# Allegro board 6089-119-RevB_08.brd (continued)
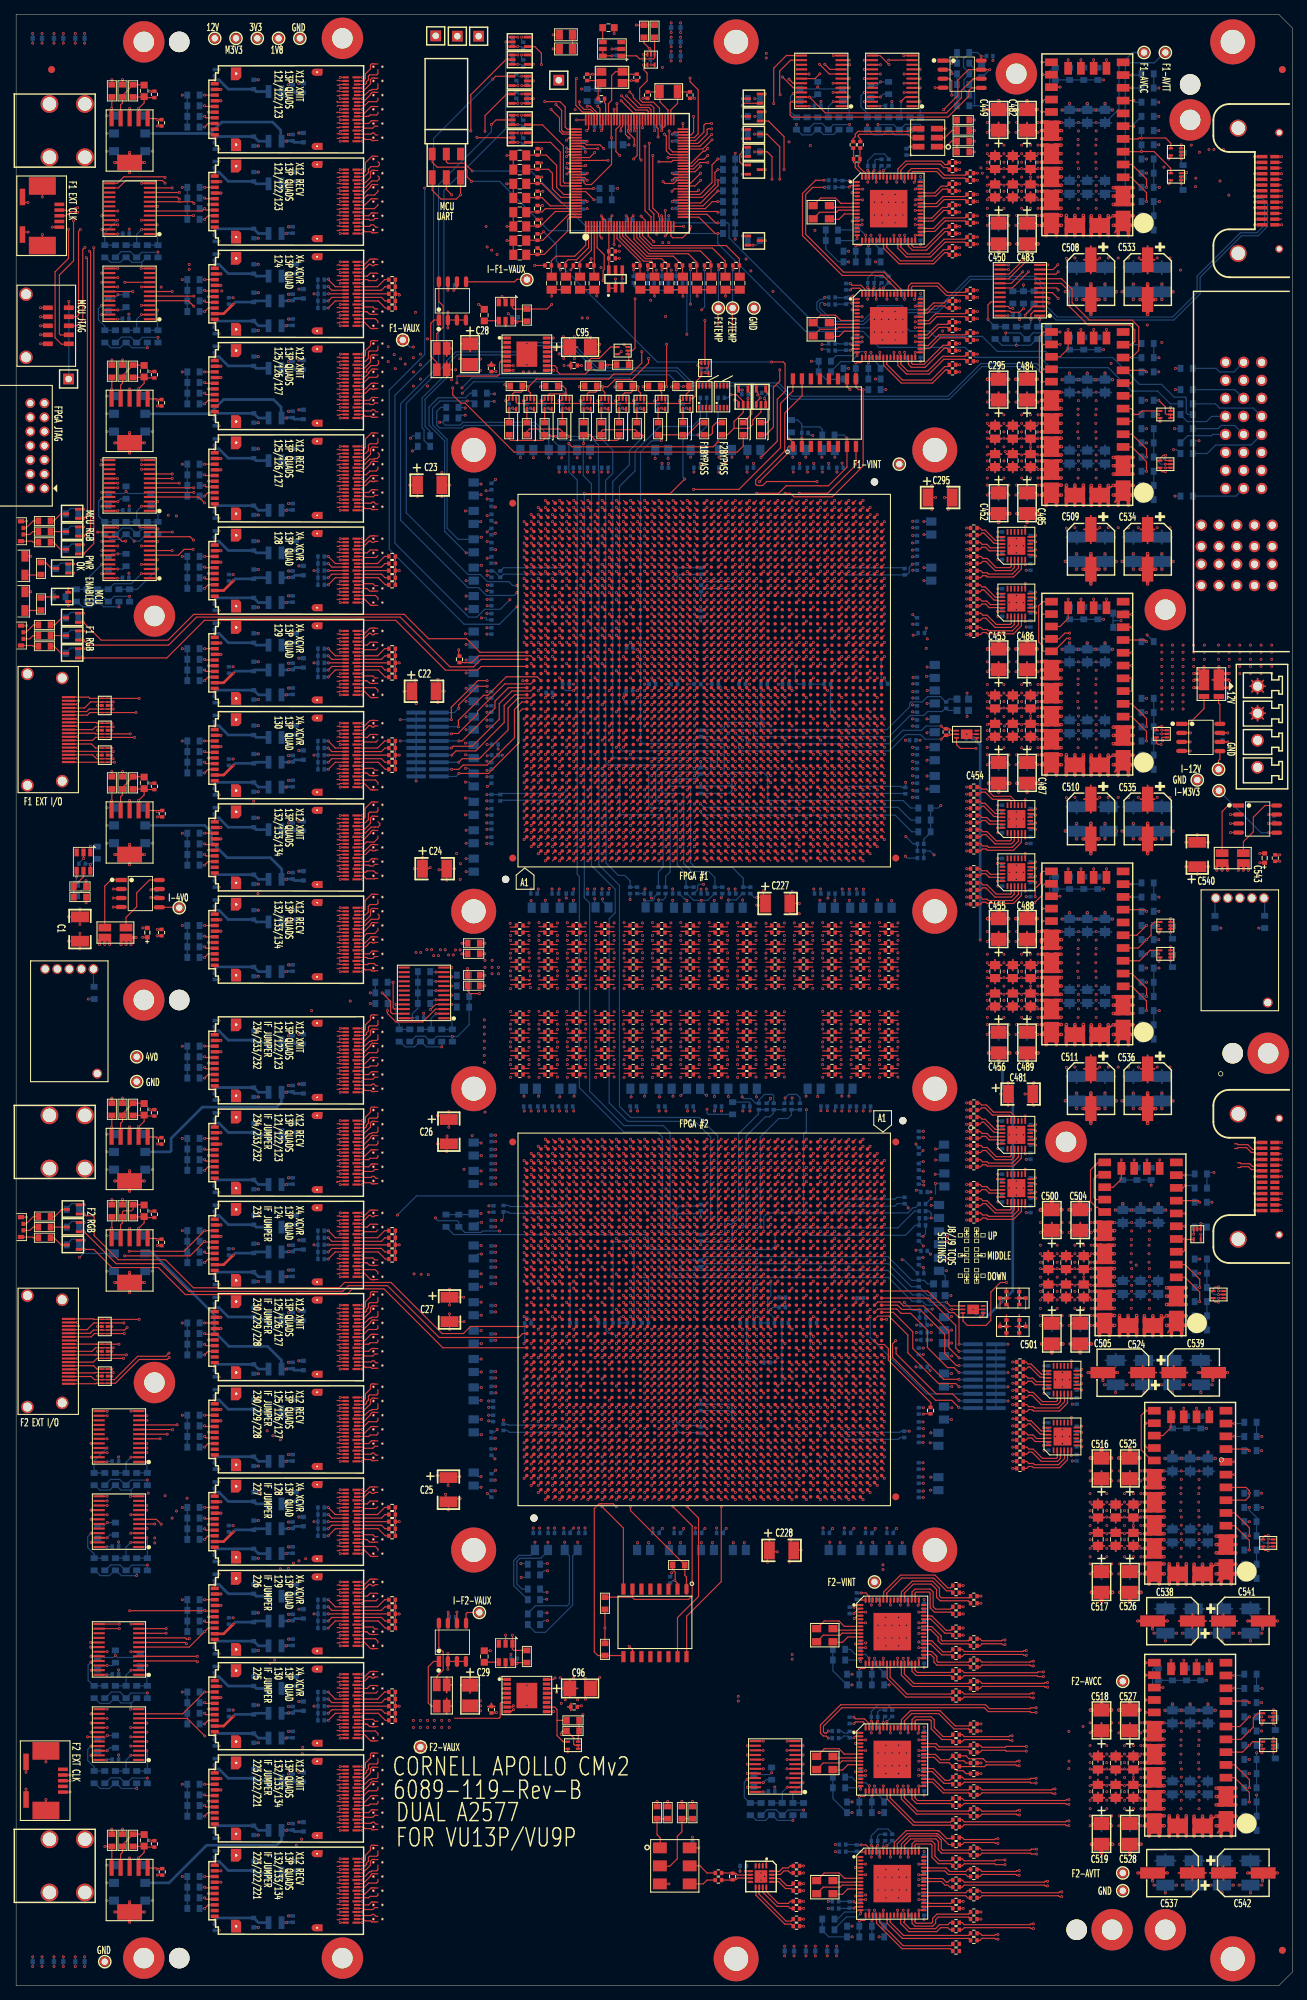
[diagram p0: board, top side]
## Placement (name value [footprint] x y rotation side) (continued)
C1148  22 UF  [CAPTANT_0603_P1]  33.5 112.9 270 bottom
C1149  22 UF  [CAPTANT_0603_P1]  33.5 107.9 90 bottom
C1150  22 UF  [CAPTANT_0603_P1]  33.5 103.9 90 bottom
C1151  22 UF  [CAPTANT_0603_P1]  33.5 99.9 270 bottom
C1152  22 UF  [CAPTANT_0603_P1]  33.5 94.9 90 bottom
C1153  22 UF  [CAPTANT_0603_P1]  33.5 86.9 270 bottom
C1154  22 UF  [CAPTANT_0603_P1]  33.5 81.9 90 bottom
C1155  22 UF  [CAPTANT_0603_P1]  33.5 73.9 270 bottom
C1156  22 UF  [CAPTANT_0603_P1]  33.5 68.9 90 bottom
C1157  22 UF  [CAPTANT_0603_P1]  33.5 64.9 90 bottom
C1158  22 UF  [CAPTANT_0603_P1]  33.5 60.9 270 bottom
C1159  22 UF  [CAPTANT_0603_P1]  33.5 55.9 90 bottom
C1160  22 UF  [CAPTANT_0603_P1]  33.5 51.9 90 bottom
C1161  22 UF  [CAPTANT_0603_P1]  33.5 47.9 270 bottom
C1162  22 UF  [CAPTANT_0603_P1]  33.5 42.9 90 bottom
C1163  22 UF  [CAPTANT_0603_P1]  33.5 38.9 90 bottom
C1164  22 UF  [CAPTANT_0603_P1]  33.5 34.9 270 bottom
C1165  22 UF  [CAPTANT_0603_P1]  33.5 29.9 90 bottom
C1166  22 UF  [CAPTANT_0603_P1]  33.5 21.9 270 bottom
C1167  22 UF  [CAPTANT_0603_P1]  33.5 16.9 90 bottom
C1168  22 UF  [CAPTANT_0603_P1]  33.5 8.9 270 bottom
C1169  0.1 UF  [CAPC_EIA0402]  28 269.55 90 bottom
C1170  0.1 UF  [CAPC_EIA0402]  28 259.25 270 bottom
C1171  0.1 UF  [CAPC_EIA0402]  28 256.6 90 bottom
C1172  0.1 UF  [CAPC_EIA0402]  28 246.25 270 bottom
C1173  0.1 UF  [CAPC_EIA0402]  28 243.55 90 bottom
C1174  0.1 UF  [CAPC_EIA0402]  30 237.4 90 bottom
C1175  0.1 UF  [CAPC_EIA0402]  28 233.25 270 bottom
C1176  0.1 UF  [CAPC_EIA0402]  28 230.55 90 bottom
C1177  0.1 UF  [CAPC_EIA0402]  28 220.25 270 bottom
C1178  0.1 UF  [CAPC_EIA0402]  28 217.5 90 bottom
C1179  0.1 UF  [CAPC_EIA0402]  28 207.25 270 bottom
C1180  0.1 UF  [CAPC_EIA0402]  28 204.55 90 bottom
C1181  0.1 UF  [CAPC_EIA0402]  30 198.4 90 bottom
C1182  0.1 UF  [CAPC_EIA0402]  28 194.25 270 bottom
C1183  0.1 UF  [CAPC_EIA0402]  28 191.55 90 bottom
C1184  0.1 UF  [CAPC_EIA0402]  30 185.4 90 bottom
C1185  0.1 UF  [CAPC_EIA0402]  28 181.25 270 bottom
C1186  0.1 UF  [CAPC_EIA0402]  28 178.55 90 bottom
C1187  0.1 UF  [CAPC_EIA0402]  30 172.4 90 bottom
C1188  0.1 UF  [CAPC_EIA0402]  28 168.25 270 bottom
C1189  0.1 UF  [CAPC_EIA0402]  28 165.55 90 bottom
C1190  0.1 UF  [CAPC_EIA0402]  28 155.25 270 bottom
C1191  0.1 UF  [CAPC_EIA0402]  28 152.55 90 bottom
C1192  0.1 UF  [CAPC_EIA0402]  28 142.25 270 bottom
C1193  0.1 UF  [CAPC_EIA0402]  28 135.55 90 bottom
C1194  0.1 UF  [CAPC_EIA0402]  28 125.25 270 bottom
C1195  0.1 UF  [CAPC_EIA0402]  28 122.55 90 bottom
C1196  0.1 UF  [CAPC_EIA0402]  28 112.25 270 bottom
C1197  0.1 UF  [CAPC_EIA0402]  28 109.55 90 bottom
C1198  0.1 UF  [CAPC_EIA0402]  30 103.4 90 bottom
C1199  0.1 UF  [CAPC_EIA0402]  28 99.25 270 bottom
C1200  0.1 UF  [CAPC_EIA0402]  28 96.55 90 bottom
C1201  0.1 UF  [CAPC_EIA0402]  28 86.25 270 bottom
C1202  0.1 UF  [CAPC_EIA0402]  28 83.55 90 bottom
C1203  0.1 UF  [CAPC_EIA0402]  28 73.25 270 bottom
C1204  0.1 UF  [CAPC_EIA0402]  28 70.55 90 bottom
C1205  0.1 UF  [CAPC_EIA0402]  30 64.4 90 bottom
C1206  0.1 UF  [CAPC_EIA0402]  28 60.25 270 bottom
C1207  0.1 UF  [CAPC_EIA0402]  28 57.55 90 bottom
C1208  0.1 UF  [CAPC_EIA0402]  30 51.4 90 bottom
C1209  0.1 UF  [CAPC_EIA0402]  28 47.25 270 bottom
C1210  0.1 UF  [CAPC_EIA0402]  28 44.55 90 bottom
C1211  0.1 UF  [CAPC_EIA0402]  30 38.4 90 bottom
C1212  0.1 UF  [CAPC_EIA0402]  28 34.25 270 bottom
C1213  0.1 UF  [CAPC_EIA0402]  28 31.55 90 bottom
C1214  0.1 UF  [CAPC_EIA0402]  28 21.25 270 bottom
C1215  0.1 UF  [CAPC_EIA0402]  28 18.55 90 bottom
C1216  0.1 UF  [CAPC_EIA0402]  28 8.25 270 bottom
C1217  0.1 UF  [CAPC_EIA0402]  19.8 153.9 90 bottom
C1218  0.1 UF  [CAPC_EIA0402]  15.5 246.9 0 bottom
C1219  0.1 UF  [CAPC_EIA0402]  15.5 207.9 0 bottom
C1220  0.1 UF  [CAPC_EIA0402]  15.45 234.9 0 bottom
C1221  0.1 UF  [CAPC_EIA0402]  15.45 198.4 0 bottom
C1222  0.1 UF  [CAPC_EIA0402]  14 73.9 0 bottom
C1223  0.1 UF  [CAPC_EIA0402]  14 61.9 0 bottom
C1224  0.1 UF  [CAPC_EIA0402]  14 43.9 0 bottom
C1225  0.1 UF  [CAPC_EIA0402]  14 31.9 0 bottom
C1226  0.1 UF  [CAPC_EIA0402]  9.3 158.1 180 bottom
C1227  22 UF  [CAPTANT_0603_P1]  9 274.4 0 bottom
C1228  22 UF  [CAPTANT_0603_P1]  9 3.4 0 bottom
C1229  TBD  [CAPC_EIA0603]  8.5 154.4 90 bottom
C1230  22 UF  [CAPTANT_0603_P1]  6 274.4 0 bottom
C1231  22 UF  [CAPTANT_0603_P1]  6 3.4 0 bottom
C1232  22 UF  [CAPTANT_0603_P1]  3 274.4 0 bottom
C1233  22 UF  [CAPTANT_0603_P1]  3 3.4 0 bottom
D1  -  [LED_RGB_INS126T]  0.7 204.95 270 top
D2  -  [LED_RGB_INS126T]  0.7 190.25 270 top
D3  -  [LED_RGB_INS126T]  0.7 106.9 270 top
D4  LED GREEN  [LED_APA2106]  1.25 200.1 90 top
D5  LED GREEN  [LED_APA2106]  1.25 195.1 90 top
H1  DNI  [HOLE_M2P5_STANDOFF]  19.5 193 0 top
H2  DNI  [HOLE_M2P5_STANDOFF]  19.5 85 0 top
H3  DNI  [HOLE_M2P5_STANDOFF]  46 274.4 0 top
H4  DNI  [HOLE_M2P5_STANDOFF]  46 3.9 0 top
H5  DNI  [HOLE_M2P5_STANDOFF]  141 269.4 0 top
H6  DNI  [HOLE_M2P5_STANDOFF]  148 118.9 0 top
H7  DNI  [HOLE_M2P5_STANDOFF]  162 193.9 0 top
H8  DNI  [HOLE_M2P5_STANDOFF]  162 7.9 0 top
J1  CON_2X7_RA  [CON_2X7_2MM_RA_XILINX]  3 217 0 top
J2  CON5  [CONN_USB_MINI_B_UX60SC_MB_5ST]  0 249.4 180 top
J3  CON5  [CONN_USB_MINI_B_UX60SC_MB_5ST]  0.5 28.9 180 top
J4  CON10A  [CONN_10PIN_FSH]  1.4 233.9 0 top
J5  CON_HDMI19_SS_53000_001  [CONN_HDMI19_SS_53000_001]  6.5 177 180 top
J6  CON_HDMI19_SS_53000_001  [CONN_HDMI19_SS_53000_001]  6.5 89.4 180 top
J7  CON6  [HEADER_2MM_2X3_SMD_RA]  60.65 256.45 90 top
J8  -  [CAP_JUMPER_DP3T]  140.5 96.9 90 top
J9  -  [CAP_JUMPER_DP3T]  140.5 92.9 90 top
J10  CON4  [TB4]  175 177.4 0 top
J11  CON20A  [CONN_FTM_20]  136.5 85.9 0 bottom
J12  CON20A  [CONN_FTM_20]  58 174.9 180 bottom
L1  600 OHM  [IND_EIA0603]  133.45 181.3 180 bottom
L2  600 OHM  [IND_EIA0603]  133.45 179.7 180 bottom
L3  600 OHM  [IND_EIA0603]  130.15 98.9 180 bottom
L4  600 OHM  [IND_EIA0603]  130.15 97.25 180 bottom
L5  1.0 UH  [IND_EIA0806]  36.5 266.9 180 bottom
L6  1.0 UH  [IND_EIA0806]  36.5 259.9 180 bottom
L7  1.0 UH  [IND_EIA0806]  36.5 253.9 180 bottom
L8  1.0 UH  [IND_EIA0806]  36.5 246.9 180 bottom
L9  1.0 UH  [IND_EIA0806]  36.5 240.9 180 bottom
L10  1.0 UH  [IND_EIA0806]  36.5 237.4 180 bottom
L11  1.0 UH  [IND_EIA0806]  36.5 233.9 180 bottom
L12  1.0 UH  [IND_EIA0806]  36.5 227.9 180 bottom
L13  1.0 UH  [IND_EIA0806]  36.5 220.9 180 bottom
L14  1.0 UH  [IND_EIA0806]  36.5 214.9 180 bottom
L15  1.0 UH  [IND_EIA0806]  36.5 207.9 180 bottom
L16  1.0 UH  [IND_EIA0806]  36.5 201.9 180 bottom
L17  1.0 UH  [IND_EIA0806]  36.5 198.4 180 bottom
L18  1.0 UH  [IND_EIA0806]  36.5 194.9 180 bottom
L19  1.0 UH  [IND_EIA0806]  36.5 188.9 180 bottom
L20  1.0 UH  [IND_EIA0806]  36.5 185.4 180 bottom
L21  1.0 UH  [IND_EIA0806]  36.5 181.9 180 bottom
L22  1.0 UH  [IND_EIA0806]  36.5 175.9 180 bottom
L23  1.0 UH  [IND_EIA0806]  36.5 172.4 180 bottom
L24  1.0 UH  [IND_EIA0806]  36.5 168.9 180 bottom
L25  1.0 UH  [IND_EIA0806]  36.5 162.9 180 bottom
L26  1.0 UH  [IND_EIA0806]  36.5 155.9 180 bottom
L27  1.0 UH  [IND_EIA0806]  36.5 149.9 180 bottom
L28  1.0 UH  [IND_EIA0806]  36.5 142.9 180 bottom
L29  1.0 UH  [IND_EIA0806]  36.5 132.9 180 bottom
L30  1.0 UH  [IND_EIA0806]  36.5 125.9 180 bottom
L31  1.0 UH  [IND_EIA0806]  36.5 119.9 180 bottom
L32  1.0 UH  [IND_EIA0806]  36.5 112.9 180 bottom
L33  1.0 UH  [IND_EIA0806]  36.5 106.9 180 bottom
L34  1.0 UH  [IND_EIA0806]  36.5 103.4 180 bottom
L35  1.0 UH  [IND_EIA0806]  36.5 99.9 180 bottom
L36  1.0 UH  [IND_EIA0806]  36.5 93.9 180 bottom
L37  1.0 UH  [IND_EIA0806]  36.5 86.9 180 bottom
L38  1.0 UH  [IND_EIA0806]  36.5 80.9 180 bottom
L39  1.0 UH  [IND_EIA0806]  36.5 73.9 180 bottom
L40  1.0 UH  [IND_EIA0806]  36.5 67.9 180 bottom
L41  1.0 UH  [IND_EIA0806]  36.5 64.4 180 bottom
L42  1.0 UH  [IND_EIA0806]  36.5 60.9 180 bottom
L43  1.0 UH  [IND_EIA0806]  36.5 54.9 180 bottom
L44  1.0 UH  [IND_EIA0806]  36.5 51.4 180 bottom
L45  1.0 UH  [IND_EIA0806]  36.5 47.9 180 bottom
L46  1.0 UH  [IND_EIA0806]  36.5 41.9 180 bottom
L47  1.0 UH  [IND_EIA0806]  36.5 38.4 180 bottom
L48  1.0 UH  [IND_EIA0806]  36.5 34.9 180 bottom
L49  1.0 UH  [IND_EIA0806]  36.5 28.9 180 bottom
L50  1.0 UH  [IND_EIA0806]  36.5 21.9 180 bottom
L51  1.0 UH  [IND_EIA0806]  36.5 15.9 180 bottom
L52  1.0 UH  [IND_EIA0806]  36.5 8.9 180 bottom
NOREF  -  []  0 277.38 0 top
NOREF#2  -  []  -12.7 286.6 0 top
NOREF#3  -  []  177.58 277.8 90 top
NOREF#4  -  []  177.73 0 90 top
NOREF#5  -  []  193.64 -12.7 90 top
NOREF#6  -  []  177.2 -12.7 90 top
NOREF#7  -  [unnamed#2]  5 270 0 top
NOREF#8  -  []  -12.7 281.52 0 top
NOREF#9  -  [unnamed#2]  178.5 5 0 top
NOREF#10  -  []  179.97 275.22 0 top
NOREF#11  -  [unnamed#2]  178.5 270 0 top
NOREF#12  -  [unnamed#2]  178.5 5 180 bottom
NOREF#13  -  [unnamed#2]  5 270 180 bottom
NOREF#14  -  [unnamed#2]  178.5 270 180 bottom
P1  ET60T-D02-3-08-000  [ET60T-02-24-00-X-RT1-GP]  172.07 191.8 90 top
P2  ERM8-013-RA-2X13  [ERM8-013-01-S-D-RA]  172.27 244.1 270 top
P3  ERM8-013-RA-2X13  [ERM8-013-01-S-D-RA]  172.27 105.2 270 top
PM1  THRU_TestPoint  [TESTPT_C55H35]  12.5 3.4 0 top
PM2  THRU_TestPoint  [TESTPT_C55H35]  17 130.9 0 top
PM3  THRU_TestPoint  [TESTPT_C55H35]  17 127.4 0 top
PM4  THRU_TestPoint  [TESTPT_C55H35]  23 151.9 0 top
PM5  THRU_TestPoint  [TESTPT_C55H35]  28 274.4 0 top
PM6  THRU_TestPoint  [TESTPT_C55H35]  31 274.4 0 top
PM7  THRU_TestPoint  [TESTPT_C55H35]  34 274.4 0 top
PM8  THRU_TestPoint  [TESTPT_C55H35]  37 274.4 0 top
PM9  THRU_TestPoint  [TESTPT_C55H35]  40 274.4 0 top
PM10  THRU_TestPoint  [TESTPT_C55H35]  54.5 231.9 0 top
PM11  THRU_TestPoint  [TESTPT_C55H35]  57 33.65 0 top
PM12  THRU_TestPoint  [TESTPT_C55H35]  65.3 52.6 0 top
PM13  THRU_TestPoint  [TESTPT_C55H35]  72 240.4 0 top
PM14  THRU_TestPoint  [TESTPT_C55H35]  99 236.4 0 top
PM15  THRU_TestPoint  [TESTPT_C55H35]  101 236.4 0 top
PM16  THRU_TestPoint  [TESTPT_C55H35]  104 236.4 0 top
PM17  THRU_TestPoint  [TESTPT_C55H35]  121 56.9 0 top
PM18  THRU_TestPoint  [TESTPT_C55H35]  124.5 214.4 0 top
PM19  THRU_TestPoint  [TESTPT_C55H35]  156 42.9 0 top
PM20  THRU_TestPoint  [TESTPT_C55H35]  156 15.9 0 top
PM21  THRU_TestPoint  [TESTPT_C55H35]  156 13.4 0 top
PM22  THRU_TestPoint  [TESTPT_C55H35]  159 272.4 0 top
PM23  THRU_TestPoint  [TESTPT_C55H35]  162 272.4 0 top
PM24  THRU_TestPoint  [TESTPT_C55H35]  166.5 169.9 0 top
PM25  THRU_TestPoint  [TESTPT_C55H35]  169.5 171.4 0 top
PM26  THRU_TestPoint  [TESTPT_C55H35]  169.55 168.4 0 top
Q1  FET_N_1.8V  [RUF015N02_FET]  6.5 199.7 180 top
Q2  FET_N_1.8V  [RUF015N02_FET]  6.5 195.7 180 top
Q3  FET_N_1.8V  [RUF015N02_FET]  7.9 207.4 180 top
Q4  FET_N_1.8V  [RUF015N02_FET]  7.9 204.9 180 top
Q5  FET_N_1.8V  [RUF015N02_FET]  7.9 202.4 180 top
Q6  FET_N_1.8V  [RUF015N02_FET]  7.9 192.75 180 top
Q7  FET_N_1.8V  [RUF015N02_FET]  7.9 190.25 180 top
Q8  FET_N_1.8V  [RUF015N02_FET]  7.9 187.75 180 top
Q9  FET_N_1.8V  [RUF015N02_FET]  8 109.4 180 top
Q10  FET_N_1.8V  [RUF015N02_FET]  8 106.9 180 top
Q11  FET_N_1.8V  [RUF015N02_FET]  8 104.4 180 top
Q12  FET_N_1.8V  [RUF015N02_FET]  104 265.9 180 top
Q13  FET_N_1.8V  [RUF015N02_FET]  104 263.4 180 top
Q14  FET_N_1.8V  [RUF015N02_FET]  104 260.9 0 top
Q15  FET_N_1.8V  [RUF015N02_FET]  104 258.4 0 top
Q16  FET_N_1.8V  [RUF015N02_FET]  104 255.9 0 top
Q17  FET_N_1.8V  [RUF015N02_FET]  104 245.9 0 top
R1  270  [RESC_EIA0603]  3.5 199.7 270 top
R2  270  [RESC_EIA0603]  3.5 194.7 270 top
R3  150  [RESC_EIA0603]  4 206.4 180 top
R4  150  [RESC_EIA0603]  4 204.9 180 top
R5  270  [RESC_EIA0603]  4 203.4 180 top
R6  150  [RESC_EIA0603]  4 191.75 180 top
R7  150  [RESC_EIA0603]  4 190.25 180 top
R8  270  [RESC_EIA0603]  4 188.75 180 top
R9  150  [RESC_EIA0603]  4 108.4 180 top
R10  150  [RESC_EIA0603]  4 106.9 180 top
R11  270  [RESC_EIA0603]  4 105.4 180 top
R12  10K  [RESC_EIA0603]  9 154.9 180 top
R13  12.1K  [RESC_EIA0603]  9 153.4 0 top
R14  4.7K  [RESC_EIA0603]  13.5 267 270 top
R15  4.7K  [RESC_EIA0603]  13.5 227.5 270 top
R16  4.7K  [RESC_EIA0603]  13.5 169.5 270 top
R17  4.7K  [RESC_EIA0603]  13.5 123.5 270 top
R18  4.7K  [RESC_EIA0603]  13.5 109.2 270 top
R19  4.7K  [RESC_EIA0603]  13.5 20.5 270 top
R20  0.005  [RESC_FC4T_4WIRE_1206]  14 148.4 270 top
R21  28.0K  [RESC_EIA0603]  15 267 90 top
R22  28.0K  [RESC_EIA0603]  15 227.5 90 top
R23  28.0K  [RESC_EIA0603]  15 169.5 90 top
R24  28.0K  [RESC_EIA0603]  15 123.5 90 top
R25  28.0K  [RESC_EIA0603]  15 109.2 90 top
R26  28.0K  [RESC_EIA0603]  15 20.5 90 top
R27  60.4K  [RESC_EIA0603]  16.5 267 90 top
R28  60.4K  [RESC_EIA0603]  16.5 227.5 90 top
R29  60.4K  [RESC_EIA0603]  16.5 169.5 90 top
R30  60.4K  [RESC_EIA0603]  16.5 123.5 90 top
R31  60.4K  [RESC_EIA0603]  16.5 109.2 90 top
R32  60.4K  [RESC_EIA0603]  16.5 20.5 90 top
R33  49p9  [RESC_EIA0402]  53 240.4 180 top
R34  49p9  [RESC_EIA0402]  53 239.4 180 top
R35  49p9  [RESC_EIA0402]  53 238.4 180 top
R36  49p9  [RESC_EIA0402]  53 237.4 180 top
R37  49p9  [RESC_EIA0402]  53 236.4 180 top
R38  49p9  [RESC_EIA0402]  53 201.4 180 top
R39  49p9  [RESC_EIA0402]  53 200.4 180 top
R40  49p9  [RESC_EIA0402]  53 199.4 180 top
R41  49p9  [RESC_EIA0402]  53 198.4 180 top
R42  49p9  [RESC_EIA0402]  53 197.4 180 top
R43  49p9  [RESC_EIA0402]  53 188.4 180 top
R44  49p9  [RESC_EIA0402]  53 187.4 180 top
R45  49p9  [RESC_EIA0402]  53 186.4 180 top
R46  49p9  [RESC_EIA0402]  53 185.4 180 top
R47  49p9  [RESC_EIA0402]  53 184.4 180 top
R48  49p9  [RESC_EIA0402]  53 175.4 180 top
R49  49p9  [RESC_EIA0402]  53 174.4 180 top
R50  49p9  [RESC_EIA0402]  53 173.4 180 top
R51  49p9  [RESC_EIA0402]  53 172.4 180 top
R52  49p9  [RESC_EIA0402]  53 171.4 180 top
R53  49p9  [RESC_EIA0402]  53 106.4 180 top
R54  49p9  [RESC_EIA0402]  53 105.4 180 top
R55  49p9  [RESC_EIA0402]  53 104.4 180 top
R56  49p9  [RESC_EIA0402]  53 103.4 180 top
R57  49p9  [RESC_EIA0402]  53 102.4 180 top
R58  49p9  [RESC_EIA0402]  53 67.4 180 top
R59  49p9  [RESC_EIA0402]  53 66.4 180 top
R60  49p9  [RESC_EIA0402]  53 65.4 180 top
R61  49p9  [RESC_EIA0402]  53 64.4 180 top
R62  49p9  [RESC_EIA0402]  53 63.4 180 top
R63  49p9  [RESC_EIA0402]  53 54.4 180 top
R64  49p9  [RESC_EIA0402]  53 53.4 180 top
R65  49p9  [RESC_EIA0402]  53 52.4 180 top
R66  49p9  [RESC_EIA0402]  53 51.4 180 top
R67  49p9  [RESC_EIA0402]  53 50.4 180 top
R68  49p9  [RESC_EIA0402]  53 41.4 180 top
R69  49p9  [RESC_EIA0402]  53 40.4 180 top
R70  49p9  [RESC_EIA0402]  53 39.4 180 top
R71  49p9  [RESC_EIA0402]  53 38.4 180 top
R72  49p9  [RESC_EIA0402]  53 37.4 180 top
R73  0.01  [RESC_FC4T_4WIRE_1206]  60 229.2 0 top
R74  0.01  [RESC_FC4T_4WIRE_1206]  60 40.9 0 top
R75  1K  [RESC_EIA0402]  62.5 186.9 90 top
R76  0  [RESC_EIA0603]  64.5 146.9 180 top
R77  0  [RESC_EIA0603]  64.5 145.4 180 top
R78  0  [RESC_EIA0603]  64.5 142.4 180 top
R79  0  [RESC_EIA0603]  64.5 140.9 180 top
R80  33  [RESC_EIA0603]  69.5 219.4 270 top
R81  10K  [RESC_EIA0603]  70.5 225.4 0 top
R82  10K  [RESC_EIA0603]  72 235.4 270 top
R83  33  [RESC_EIA0603]  72 219.4 270 top
R84  10K  [RESC_EIA0603]  72 46.4 270 top
R85  100  [RESC_EIA0402]  73.5 258.4 270 top
R86  100  [RESC_EIA0402]  73.5 256.4 270 top
R87  100  [RESC_EIA0402]  73.5 254.4 270 top
R88  100  [RESC_EIA0402]  73.5 252.4 270 top
R89  100  [RESC_EIA0402]  73.5 250.4 270 top
R90  100  [RESC_EIA0402]  73.5 248.4 270 top
R91  100  [RESC_EIA0402]  73.5 246.4 270 top
R92  100  [RESC_EIA0402]  73.5 244.4 270 top
R93  33  [RESC_EIA0603]  74.5 219.4 270 top
R94  100  [RESC_EIA0402]  75 242.4 0 top
R95  10K  [RESC_EIA0603]  75.5 225.4 180 top
R96  100  [RESC_EIA0402]  77 242.4 0 top
R97  33  [RESC_EIA0603]  77 219.4 270 top
R98  249  [RESC_EIA0805]  77.5 274.9 0 top
R99  249  [RESC_EIA0805]  77.5 272.9 180 top
R100  10K  [RESC_EIA0603]  78.5 37.4 180 top
R101  4.7K  [RESC_EIA0603]  78.5 35.9 180 top
R102  100  [RESC_EIA0402]  79 242.4 0 top
R103  33  [RESC_EIA0603]  80 219.4 270 top
R104  100  [RESC_EIA0402]  81 242.4 0 top
R105  10K  [RESC_EIA0603]  81 225.4 0 top
R106  10K  [RESC_EIA0603]  81.65 228.3 180 top
R107  499  [RESC_EIA0402]  82.5 265.9 0 top
R108  33  [RESC_EIA0603]  82.5 219.4 270 top
R109  DNP  [RESC_EIA0603]  95.35 24.4 270 top
R110  DNP  [RESC_EIA0603]  93.85 24.4 270 top
R111  DNP  [RESC_EIA0603]  91.85 24.4 270 top
R112  DNP  [RESC_EIA0603]  90.35 24.4 270 top
R113  2.2K  [RESC_EIA0603]  83 53.9 90 top
R114  4.7K  [RESC_EIA0603]  83 47.4 270 top
R115  33  [RESC_EIA0603]  85 219.4 270 top
R116  4.7K  [RESC_EIA0603]  85.5 228.4 0 top
R117  10K  [RESC_EIA0603]  86 225.4 180 top
R118  100  [RESC_EIA0402]  87.5 242.4 0 top
R119  33  [RESC_EIA0603]  87.5 219.4 270 top
R120  10K  [RESC_EIA0603]  88.5 275.4 90 top
R121  100  [RESC_EIA0402]  89.5 242.4 0 top
R122  10K  [RESC_EIA0603]  90 275.4 90 top
R123  10K  [RESC_EIA0603]  90 225.4 0 top
R124  33  [RESC_EIA0603]  90.5 219.4 270 top
R125  100  [RESC_EIA0402]  91.5 242.4 0 top
R126  4.7K  [RESC_EIA0603]  93.4 59.3 0 top
R127  100  [RESC_EIA0402]  93.5 242.4 0 top
R128  10K  [RESC_EIA0603]  94 225.4 0 top
R129  33  [RESC_EIA0603]  94 219.4 270 top
R130  100  [RESC_EIA0402]  95.5 242.4 0 top
R131  DNP  [RESC_EIA0603]  97 219.4 270 top
R132  100  [RESC_EIA0402]  97.5 242.4 0 top
R133  100  [RESC_EIA0402]  99.5 242.4 0 top
R134  DNP  [RESC_EIA0603]  99.5 219.4 270 top
R135  100  [RESC_EIA0402]  101 15.4 270 top
R136  100  [RESC_EIA0402]  101.5 242.4 0 top
R137  33  [RESC_EIA0603]  102.5 219.4 270 top
R138  33  [RESC_EIA0603]  105 219.4 270 top
R139  100  [RESC_EIA0402]  118.5 257.4 180 top
R140  1K  [RESC_EIA0402]  128.9 81.05 270 top
R141  DNP  [RESC_EIA0603]  133.5 262.9 180 top
R142  DNP  [RESC_EIA0603]  133.5 261.4 180 top
R143  DNP  [RESC_EIA0603]  133.5 259.9 180 top
R144  DNP  [RESC_EIA0603]  133.5 258.4 180 top
R145  0.001  [RESC_WSK1216_4WIRE]  168.5 183.4 0 top
R146  0.005  [RESC_FC4T_4WIRE_1206]  171.5 158.9 270 top
R147  4.7K  [RESC_EIA0603]  177.5 36.9 270 bottom
R148  4.7K  [RESC_EIA0603]  177.5 32.9 270 bottom
R149  432  [RESC_EIA0603]  176 149.9 90 bottom
R150  2.2K  [RESC_EIA0603]  174 79.4 0 bottom
R151  2.2K  [RESC_EIA0603]  174 77.4 0 bottom
R152  12.1K  [RESC_EIA0603]  174 75.4 0 bottom
R153  3.74K  [RESC_EIA0603]  174 69.4 0 bottom
R154  121K  [RESC_EIA0603]  174 67.4 180 bottom
R155  DNP  [RESC_EIA0603]  174 65.4 180 bottom
R156  10K  [RESC_EIA0603]  174 63.4 0 bottom
R157  10K  [RESC_EIA0603]  174 61.4 0 bottom
R158  DNP  [RESC_EIA0603]  174 59.4 180 bottom
R159  121K  [RESC_EIA0603]  174 57.4 0 bottom
R160  2.2K  [RESC_EIA0603]  174 43.9 0 bottom
R161  2.2K  [RESC_EIA0603]  174 41.9 0 bottom
R162  0  [RESC_EIA0603]  174 39.9 0 bottom
R163  23.7K  [RESC_EIA0603]  174 37.9 0 bottom
R164  3.74K  [RESC_EIA0603]  174 35.9 0 bottom
R165  3.74K  [RESC_EIA0603]  174 33.9 0 bottom
R166  121K  [RESC_EIA0603]  174 31.9 0 bottom
R167  DNP  [RESC_EIA0603]  174 29.9 180 bottom
R168  10K  [RESC_EIA0603]  174 27.9 0 bottom
R169  10K  [RESC_EIA0603]  174 25.9 0 bottom
R170  DNP  [RESC_EIA0603]  174 23.9 180 bottom
R171  121K  [RESC_EIA0603]  174 21.9 0 bottom
R172  4.7K  [RESC_EIA0603]  169 149.9 90 bottom
R173  2.2K  [RESC_EIA0603]  167 114.4 0 bottom
R174  2.2K  [RESC_EIA0603]  167 112.4 0 bottom
R175  11.0K  [RESC_EIA0603]  167 110.4 0 bottom
R176  4.7K  [RESC_EIA0603]  167 106.9 0 bottom
R177  121K  [RESC_EIA0603]  167 102.4 0 bottom
R178  DNP  [RESC_EIA0603]  167 100.4 180 bottom
R179  10K  [RESC_EIA0603]  167 98.4 0 bottom
R180  10K  [RESC_EIA0603]  167 96.4 0 bottom
R181  DNP  [RESC_EIA0603]  167 94.4 180 bottom
R182  121K  [RESC_EIA0603]  167 92.4 0 bottom
R183  DNP  [RESC_EIA0603]  167 79.4 270 bottom
R184  DNP  [RESC_EIA0603]  167 43.9 270 bottom
R185  270  [RESC_EIA0603]  165 227.9 180 bottom
R186  270  [RESC_EIA0603]  165 224.9 180 bottom
R187  0  [RESC_EIA0603]  165 222.9 180 bottom
R188  0  [RESC_EIA0603]  165 221.4 0 bottom
R189  270  [RESC_EIA0603]  165 219.4 180 bottom
R190  0  [RESC_EIA0603]  165 217.4 0 bottom
R191  0  [RESC_EIA0603]  165 215.9 180 bottom
R192  270  [RESC_EIA0603]  165 209.9 180 bottom
R193  110K  [RESC_EIA0603]  165 79.4 270 bottom
R194  12.1K  [RESC_EIA0603]  165 43.9 270 bottom
R195  4.7K  [RESC_EIA0603]  164.5 257.4 270 bottom
R196  4.7K  [RESC_EIA0603]  164.5 253.9 270 bottom
R197  4.7K  [RESC_EIA0603]  163 148.4 270 bottom
R198  4.7K  [RESC_EIA0603]  163 144.4 270 bottom
R199  16.2K  [RESC_EIA0603]  163 79.4 270 bottom
R200  17.8K  [RESC_EIA0603]  163 43.9 270 bottom
R201  31.6K  [RESC_EIA0603]  161 43.9 270 bottom
R202  DNP  [RESC_EIA0603]  160 114.4 270 bottom
R203  2.2K  [RESC_EIA0603]  159.5 269.4 0 bottom
R204  2.2K  [RESC_EIA0603]  159.5 267.4 0 bottom
R205  0  [RESC_EIA0603]  159.5 265.4 0 bottom
R206  23.7K  [RESC_EIA0603]  159.5 263.4 0 bottom
R207  3.74K  [RESC_EIA0603]  159.5 261.4 0 bottom
R208  3.74K  [RESC_EIA0603]  159.5 259.4 0 bottom
R209  121K  [RESC_EIA0603]  159.5 257.4 0 bottom
R210  DNP  [RESC_EIA0603]  159.5 255.4 180 bottom
R211  10K  [RESC_EIA0603]  159.5 253.4 0 bottom
R212  10K  [RESC_EIA0603]  159.5 251.4 0 bottom
R213  DNP  [RESC_EIA0603]  159.5 249.4 180 bottom
R214  121K  [RESC_EIA0603]  159.5 247.4 0 bottom
R215  2.2K  [RESC_EIA0603]  159.5 231.4 0 bottom
R216  2.2K  [RESC_EIA0603]  159.5 229.4 0 bottom
R217  11.0K  [RESC_EIA0603]  159.5 227.4 0 bottom
R218  4.7K  [RESC_EIA0603]  159.5 223.4 0 bottom
R219  3.74K  [RESC_EIA0603]  159.5 221.4 0 bottom
R220  121K  [RESC_EIA0603]  159.5 219.4 0 bottom
R221  DNP  [RESC_EIA0603]  159.5 217.4 180 bottom
R222  10K  [RESC_EIA0603]  159.5 215.4 0 bottom
R223  10K  [RESC_EIA0603]  159.5 213.4 0 bottom
R224  DNP  [RESC_EIA0603]  159.5 211.4 180 bottom
R225  121K  [RESC_EIA0603]  159.5 209.4 0 bottom
R226  12.1K  [RESC_EIA0603]  159.5 189.4 0 bottom
R227  121K  [RESC_EIA0603]  159.5 181.4 0 bottom
R228  DNP  [RESC_EIA0603]  159.5 179.4 180 bottom
R229  10K  [RESC_EIA0603]  159.5 177.4 0 bottom
R230  10K  [RESC_EIA0603]  159.5 175.4 0 bottom
R231  DNP  [RESC_EIA0603]  159.5 173.4 180 bottom
R232  121K  [RESC_EIA0603]  159.5 171.4 0 bottom
R233  2.2K  [RESC_EIA0603]  159.5 155.4 0 bottom
R234  2.2K  [RESC_EIA0603]  159.5 153.4 0 bottom
R235  0  [RESC_EIA0603]  159.5 151.4 0 bottom
R236  38.3K  [RESC_EIA0603]  159.5 149.4 0 bottom
R237  3.74K  [RESC_EIA0603]  159.5 147.4 0 bottom
R238  3.74K  [RESC_EIA0603]  159.5 145.4 0 bottom
R239  121K  [RESC_EIA0603]  159.5 143.4 0 bottom
R240  DNP  [RESC_EIA0603]  159.5 141.4 180 bottom
R241  10K  [RESC_EIA0603]  159.5 139.4 0 bottom
R242  10K  [RESC_EIA0603]  159.5 137.4 0 bottom
R243  DNP  [RESC_EIA0603]  159.5 135.4 180 bottom
R244  121K  [RESC_EIA0603]  159.5 133.4 0 bottom
R245  121K  [RESC_EIA0603]  158 114.4 270 bottom
R246  16.2K  [RESC_EIA0603]  156 114.4 270 bottom
R247  2.2K  [RESC_EIA0603]  155.5 193.4 180 bottom
R248  2.2K  [RESC_EIA0603]  155.5 191.4 180 bottom
R249  DNP  [RESC_EIA0603]  152.5 269.4 270 bottom
R250  DNP  [RESC_EIA0603]  152.5 231.4 270 bottom
R251  DNP  [RESC_EIA0603]  152.5 193.4 270 bottom
R252  DNP  [RESC_EIA0603]  152.5 155.4 270 bottom
R253  12.1K  [RESC_EIA0603]  150.5 269.4 270 bottom
R254  121K  [RESC_EIA0603]  150.5 231.4 270 bottom
R255  110K  [RESC_EIA0603]  150.5 193.4 270 bottom
R256  11.0K  [RESC_EIA0603]  150.5 155.4 270 bottom
R257  100  [RESC_EIA0402]  149.5 86.4 270 bottom
R258  100  [RESC_EIA0402]  149.5 84.4 270 bottom
R259  100  [RESC_EIA0402]  149.5 78.4 270 bottom
R260  100  [RESC_EIA0402]  149.5 76.4 270 bottom
R261  17.8K  [RESC_EIA0603]  148.5 269.4 270 bottom
R262  16.2K  [RESC_EIA0603]  148.5 231.4 270 bottom
R263  16.2K  [RESC_EIA0603]  148.5 193.4 270 bottom
R264  147K  [RESC_EIA0603]  148.5 155.4 270 bottom
R265  31.6K  [RESC_EIA0603]  146.5 269.4 270 bottom
R266  61.9K  [RESC_EIA0603]  146.5 155.4 270 bottom
R267  10K  [RESC_EIA0603]  145.5 232.9 270 bottom
R268  0  [RESC_EIA0603]  144 232.9 90 bottom
R269  10K  [RESC_EIA0603]  143.5 237.9 90 bottom
R270  100  [RESC_EIA0402]  143 203.9 270 bottom
R271  100  [RESC_EIA0402]  143 201.9 270 bottom
R272  100  [RESC_EIA0402]  143 195.9 270 bottom
R273  100  [RESC_EIA0402]  143 193.9 270 bottom
R274  100  [RESC_EIA0402]  143 165.4 270 bottom
R275  100  [RESC_EIA0402]  143 163.4 270 bottom
R276  100  [RESC_EIA0402]  143 157.9 270 bottom
R277  100  [RESC_EIA0402]  143 155.9 270 bottom
R278  100  [RESC_EIA0402]  143 120.9 270 bottom
R279  100  [RESC_EIA0402]  143 118.9 270 bottom
R280  100  [RESC_EIA0402]  143 113.4 270 bottom
R281  100  [RESC_EIA0402]  143 111.4 270 bottom
R282  10K  [RESC_EIA0603]  142.5 232.9 270 bottom
R283  2.2K  [RESC_EIA0603]  142 237.9 90 bottom
R284  0  [RESC_EIA0603]  141 232.9 90 bottom
R285  2.2K  [RESC_EIA0603]  140.5 237.9 90 bottom
R286  10K  [RESC_EIA0603]  139.5 232.9 270 bottom
R287  0  [RESC_EIA0603]  138 232.9 90 bottom
R288  10K  [RESC_EIA0603]  136.1 269.8 270 bottom
R289  10K  [RESC_EIA0603]  133.5 272.4 0 bottom
R290  0  [RESC_EIA0603]  133.5 270.9 180 bottom
R291  10K  [RESC_EIA0603]  133.5 269.4 0 bottom
R292  0  [RESC_EIA0603]  133.5 267.9 180 bottom
R293  10K  [RESC_EIA0603]  133.5 266.4 0 bottom
R294  0  [RESC_EIA0603]  133.5 264.9 180 bottom
R295  4.7K  [RESC_EIA0603]  128.05 165.95 180 bottom
R296  4.7K  [RESC_EIA0603]  128.05 164.25 180 bottom
